# Altium PCB FMC_SDR.PcbDoc (part 3 of 4)
Units mm, origin at the board's own origin, x right, y up, seen from the top; angles counter-clockwise.
Board outline 83.63 x 69 mm, 8 copper layers (Top, Int1 [signals], Int2 [GND], Int3 [high speed], Int4 [high speed], Int5 [GND/PWR], Int6 [GND/PWR], Bottom), stack 1.579 mm thick; 242 components, 142 nets, 831 pads, 1051 vias.
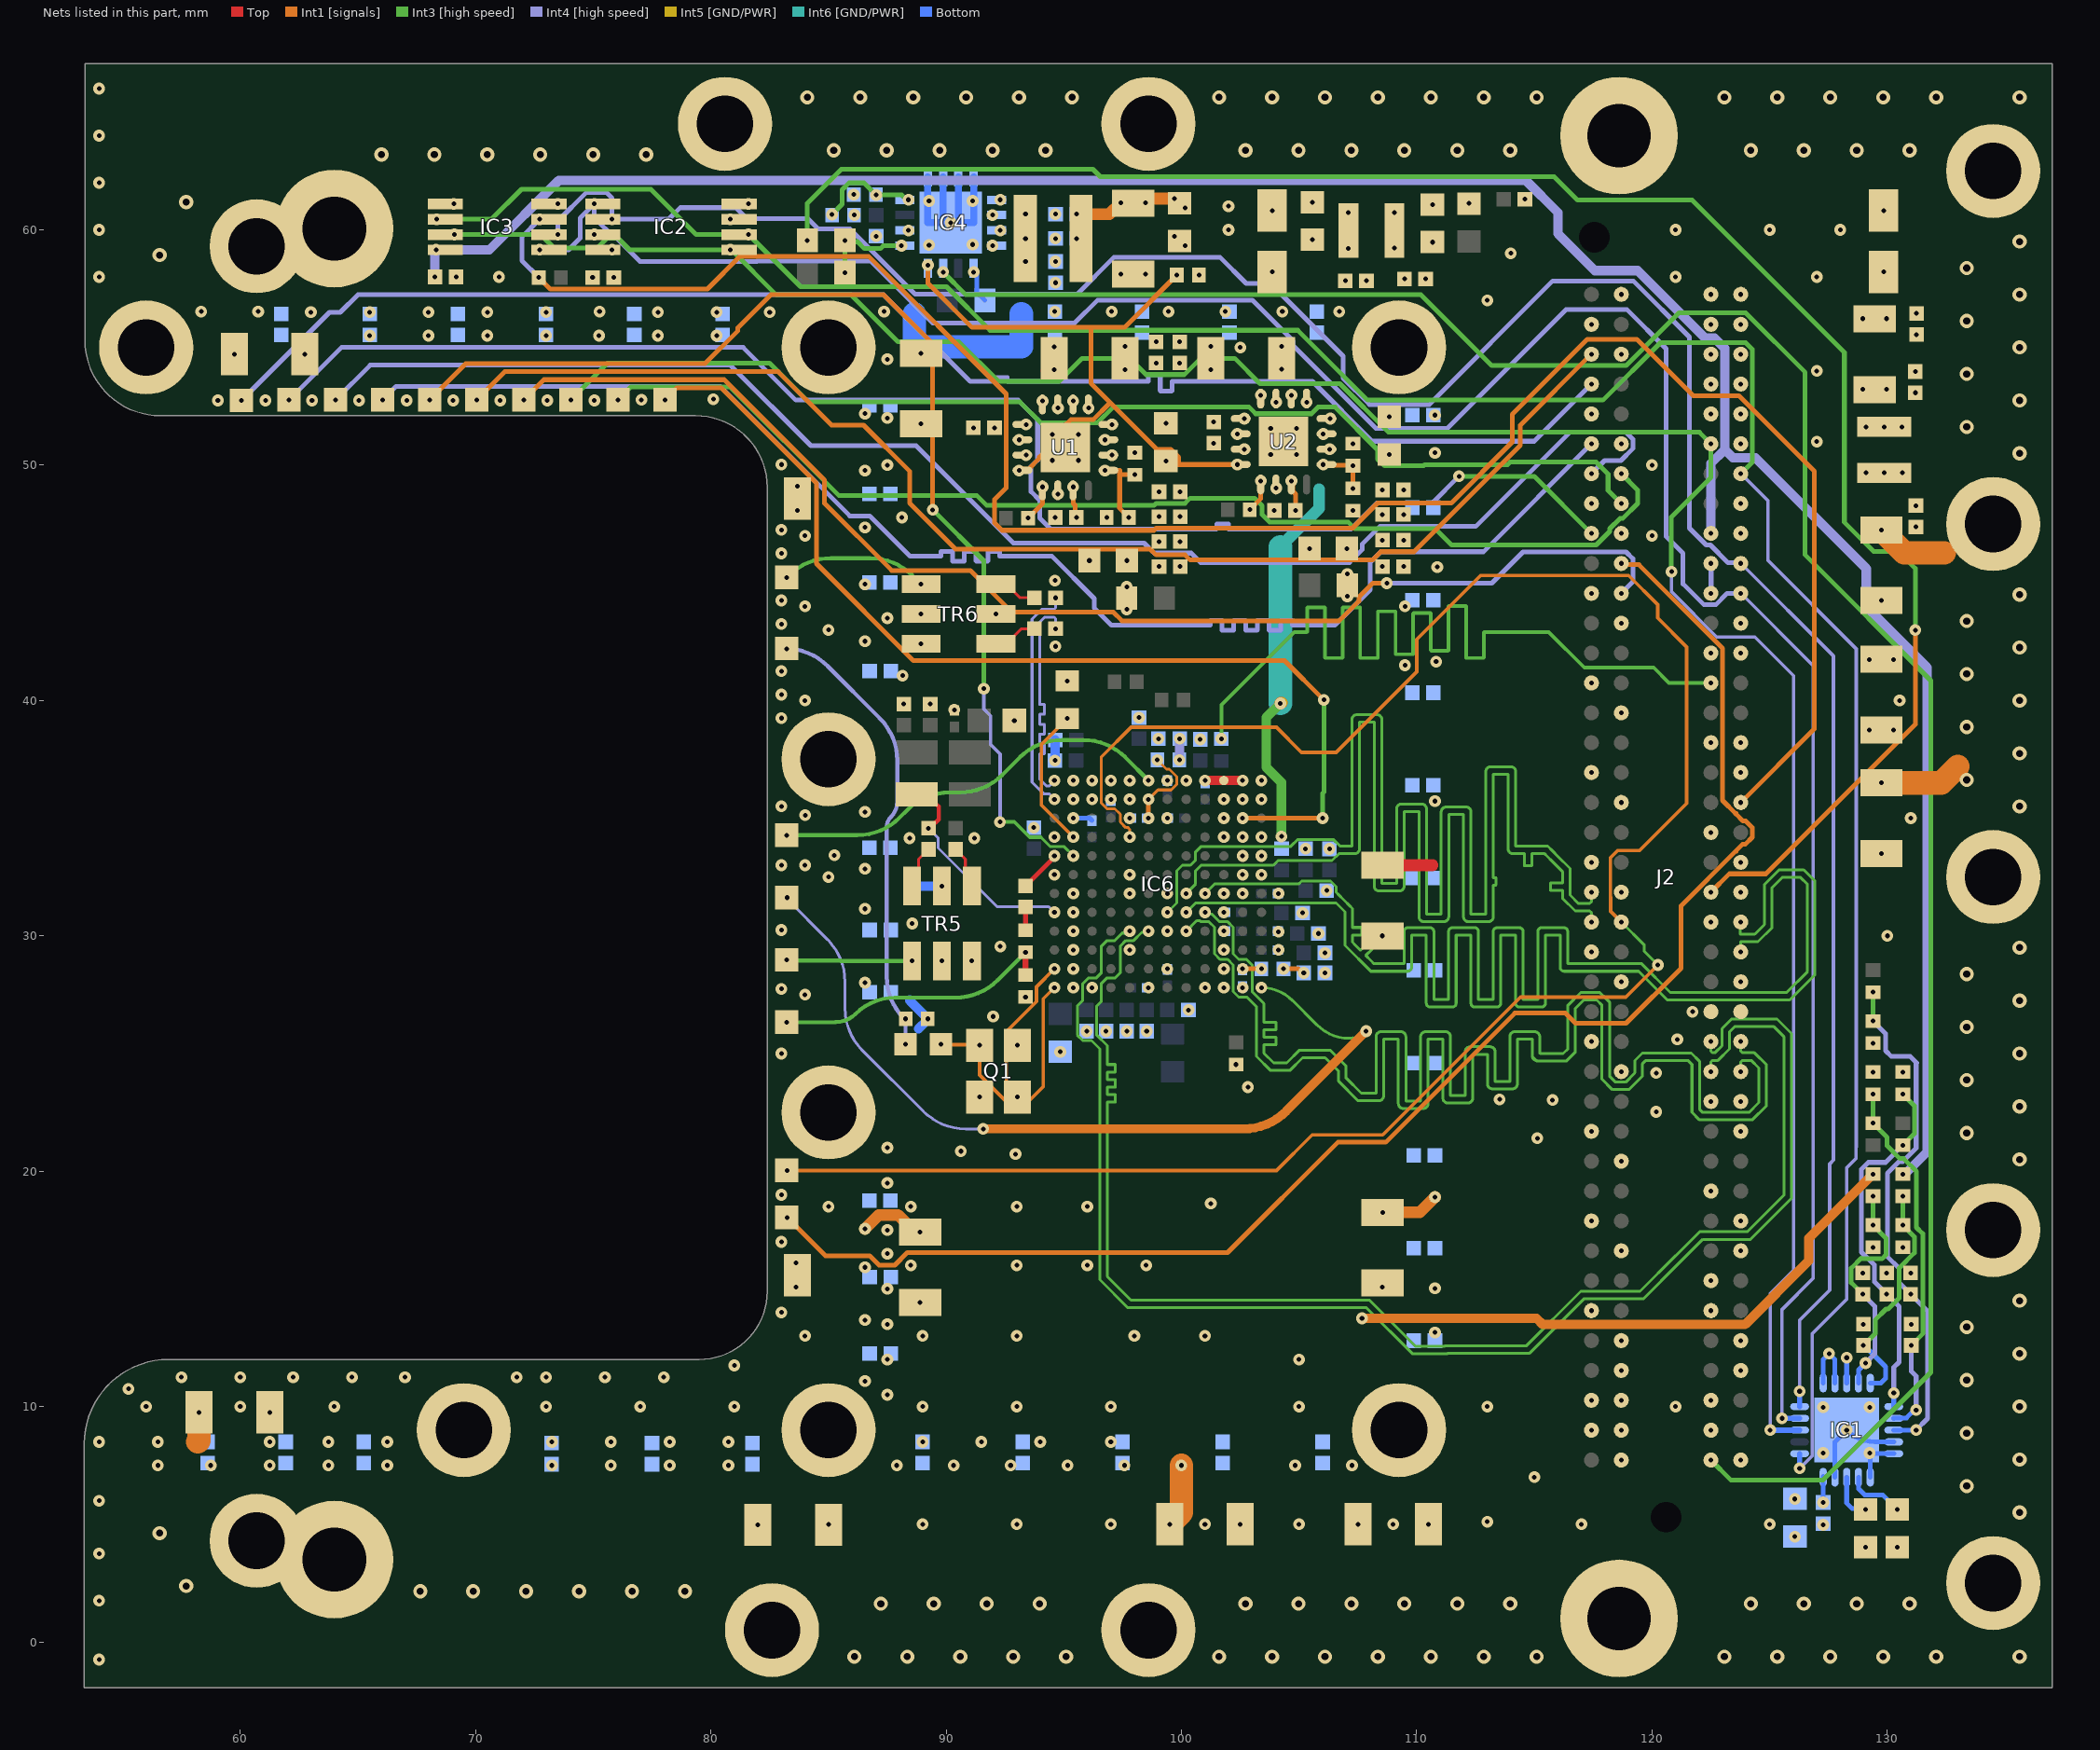
[diagram p9: the nets of this part, all layers, seen from the top]

## Via types
v1: diameter 0.5/0.5/0.5/0.5/0.5/0.5/0.5/0.5 (per signal layer), hole 0.2, Top to Bottom, tented both sides, 564 vias
v2: diameter 0.5/0.4/0.4/0.4/0.4/0.4/0.4/0.5 (per signal layer), hole 0.2, Top to Bottom, tented both sides, 182 vias
v3: diameter 0.5, hole 0.2, Top to Bottom, tented both sides, 163 vias
v4: diameter 0.6, hole 0.3, Top to Bottom, tented both sides, 118 vias
v5: diameter 0.5/0.5/0.5/0.5/0.5/0.5/0.5/0.5 (per signal layer), hole 0.2, Top to Bottom, 18 vias
v6: diameter 0.5, hole 0.2, Top to Bottom, 6 vias

## Nets (pads, with @x,y where several pads share a name; then routed paths per layer and width w, separated by ;. In a path a pad name is that pad's centre, name@x,y a point inside that pad or via, vN(x,y) a via of type N, cw(c..) or ccw(c..) an arc to the next point about the centre after c; other vN are vias at no path point) (continued)
9364_TX_D3_N: IC6.E9 J2.c15 | length 61
  Int3 [high speed] w0.12: v2(100.203,30.2) 100.647,30.644 100.793,30.644 100.837,30.6 101.168,30.6 101.403,30.366 101.403,29.234 101.637,29 101.968,29 102.203,28.766 102.203,27.634 102.437,27.4 102.785,27.4 103.19,26.994 103.19,24.879 103.789,24.28 104.607,24.28 105.151,24.823 106.107,24.823 106.68,24.251 106.68,23.822 107.51,22.992 108.383,22.992 ccw(c108.383,23.199) 108.591,23.199 108.591,25.605 109.219,25.605 109.219,22.871 ccw(c109.426,22.871) 109.426,22.664 110.279,22.664 ccw(c110.279,22.871) 110.487,22.871 110.487,25.605 111.115,25.605 111.115,23.107 ccw(c111.322,23.107) 111.322,22.9 112.175,22.9 ccw(c112.175,23.107) 112.383,23.107 112.383,24.968 113.011,24.968 113.011,23.707 ccw(c113.218,23.707) 113.218,23.5 114.071,23.5 ccw(c114.071,23.707) 114.279,23.707 114.279,25.605 114.907,25.605 114.907,24.903 ; 115.114,24.696 cw(c115.114,24.903) 115.093,24.697 ; v1(123.775,25.506) 123.775,25.101 123.845,25.031 124.352,25.031 124.863,24.52 124.863,22.785 124.256,22.179 122.021,22.179 121.699,22.501 121.699,24.537 121.54,24.696 119.721,24.696 119.595,24.57 119.595,24.047 119.014,23.466 118.315,23.466 117.875,23.906 117.875,27.05 117.649,27.276 117.103,27.276 116.745,26.917 116.745,25.069 116.351,24.675 115.114,24.675 115.093,24.697 ; 114.907,24.903 ccw(c115.114,24.903) 114.908,24.882 ; 114.907,24.903 114.907,24.883 114.908,24.882 ; 114.908,24.882 ccw(c115.114,24.903) 115.093,24.697 ; 114.908,24.882 115.093,24.697
9364_TX_D3_P: IC6.D8 J2.c14 | length 60.7
  Int3 [high speed] w0.12: v2(101.003,31) 101.056,30.946 101.187,30.946 101.213,30.92 101.301,30.92 101.621,30.6 101.968,30.6 102.203,30.366 102.203,29.566 102.203,29.234 102.437,29 102.768,29 103.003,28.766 103.003,27.72 103.003,27.634 103.51,27.127 103.51,26.967 103.51,26.647 103.51,26.327 104.002,26.327 cw(c104.002,26.311) 104.018,26.311 104.018,26.023 cw(c104.002,26.023) 104.002,26.007 103.51,26.007 103.51,25.687 104.002,25.687 cw(c104.002,25.671) 104.018,25.671 104.018,25.383 cw(c104.002,25.383) 104.002,25.367 103.51,25.367 103.51,25.047 103.51,25.011 103.922,24.6 104.475,24.6 105.018,25.143 106.322,25.143 107,24.465 107,23.955 107.643,23.312 108.271,23.312 108.271,25.718 cw(c108.478,25.718) 108.478,25.925 109.331,25.925 cw(c109.331,25.718) 109.539,25.718 109.539,22.984 110.167,22.984 110.167,25.718 cw(c110.374,25.718) 110.374,25.925 111.227,25.925 cw(c111.227,25.718) 111.435,25.718 111.435,23.22 112.063,23.22 112.063,25.081 cw(c112.27,25.081) 112.27,25.288 113.123,25.288 cw(c113.123,25.081) 113.331,25.081 113.331,23.82 113.959,23.82 113.959,25.718 cw(c114.166,25.718) 114.166,25.925 115.019,25.925 cw(c115.019,25.718) 115.227,25.718 115.227,25.016 115.247,24.995 116.219,24.995 116.425,25.202 116.425,27.05 116.971,27.596 117.782,27.596 118.195,27.183 118.195,24.039 118.448,23.786 118.881,23.786 119.275,24.179 119.275,24.703 119.588,25.016 121.673,25.016 122.019,24.67 122.019,22.634 122.154,22.499 124.124,22.499 124.543,22.918 124.543,24.388 124.22,24.711 123.845,24.711 123.775,24.64 v1(123.775,24.236)
9364_TX_D4_N: IC6.E8 J2.c19 | length 60.9
  Int3 [high speed] w0.12: v2(100.203,31) 100.603,31.4 104.291,31.4 ; 104.547,31.4 104.291,31.4 ; 109.62,28.496 108.052,28.496 106.95,29.597 106.95,31.025 106.579,31.396 104.295,31.396 104.291,31.4 ; 109.62,28.501 ccw(c109.62,28.661) 109.78,28.661 109.78,30.025 110.408,30.025 110.408,27.137 ccw(c110.568,27.137) 110.568,26.977 111.516,26.977 ccw(c111.516,27.137) 111.676,27.137 111.676,30.025 112.304,30.025 112.304,27.137 ccw(c112.464,27.137) 112.464,26.977 113.412,26.977 ccw(c113.412,27.137) 113.572,27.137 113.572,30.025 114.2,30.025 114.2,27.137 ccw(c114.36,27.137) 114.36,26.977 115.308,26.977 ccw(c115.308,27.137) 115.468,27.137 115.468,30.025 116.096,30.025 116.096,28.661 ccw(c116.256,28.661) 116.256,28.501 ; 116.256,28.496 119.429,28.496 120.649,27.276 125.856,27.276 126.926,28.346 126.926,32.324 126.45,32.8 125.397,32.8 124.78,32.183 124.78,30.482 124.368,30.07 123.75,30.07 123.75,30.561 v1(123.775,30.586)
9364_TX_D4_P: IC6.D7 J2.c18 | length 60.7
  Int3 [high speed] w0.12: v2(101.003,31.8) 101.403,32.2 104.984,32.2 105.109,32.325 106.341,32.325 106.575,32.091 106.575,31.853 106.688,31.739 106.914,31.513 107.141,31.287 107.27,31.158 107.27,30.998 107.27,30.678 107.27,30.358 107.647,30.358 cw(c107.647,30.342) 107.663,30.342 107.663,30.054 cw(c107.647,30.054) 107.647,30.038 107.27,30.038 107.27,29.73 107.383,29.617 107.609,29.391 107.876,29.657 cw(c107.887,29.646) 107.899,29.657 108.102,29.454 cw(c108.091,29.442) 108.102,29.431 107.836,29.164 108.062,28.938 108.184,28.816 109.46,28.816 ; 109.46,28.821 109.46,30.185 cw(c109.62,30.185) 109.62,30.345 110.568,30.345 cw(c110.568,30.185) 110.728,30.185 110.728,27.297 111.356,27.297 111.356,30.185 cw(c111.516,30.185) 111.516,30.345 112.464,30.345 cw(c112.464,30.185) 112.624,30.185 112.624,27.297 113.252,27.297 113.252,30.185 cw(c113.412,30.185) 113.412,30.345 114.36,30.345 cw(c114.36,30.185) 114.52,30.185 114.52,27.297 115.148,27.297 115.148,30.185 cw(c115.308,30.185) 115.308,30.345 116.256,30.345 cw(c116.256,30.185) 116.416,30.185 116.416,28.821 ; 116.416,28.816 119.562,28.816 120.782,27.596 125.723,27.596 126.606,28.478 126.606,32.192 126.317,32.48 125.53,32.48 125.1,32.05 125.1,30.349 124.501,29.75 123.775,29.75 123.775,29.419 123.725,29.369 v1@123.725,29.35
  other v1: 123.775,29.316
9364_TX_D5_N: IC6.F8 J2.h20 | length 61.4
  Int3 [high speed] w0.12: v2(99.403,31) 99.803,31.4 99.803,32.766 100.037,33 100.385,33 100.603,33.218 100.603,33.566 100.837,33.8 104.65,33.8 104.95,34.1 106.449,34.1 106.739,33.81 107.249,33.81 107.249,39.191 cw(c107.457,39.191) 107.457,39.398 108.31,39.398 cw(c108.31,39.191) 108.517,39.191 108.517,32.224 109.145,32.224 109.145,35.396 cw(c109.353,35.396) 109.353,35.604 110.206,35.604 cw(c110.206,35.396) 110.413,35.396 110.413,30.925 111.041,30.925 111.041,35.269 cw(c111.249,35.269) 111.249,35.476 112.102,35.476 cw(c112.102,35.269) 112.309,35.269 112.309,30.925 112.937,30.925 112.937,36.981 cw(c113.144,36.981) 113.144,37.189 113.998,37.189 cw(c113.998,36.981) 114.205,36.981 114.205,33.81 114.572,33.81 114.892,33.81 115.212,33.81 115.568,33.81 115.774,33.603 115.977,33.4 116.516,32.861 116.516,31.731 116.866,31.381 117.355,31.381 117.425,31.451 v3(117.425,31.856)
9364_TX_D5_P: IC6.E7 J2.h19 | length 61.4
  Int3 [high speed] w0.12: v2(100.203,31.8) 100.603,32.2 100.603,32.766 100.837,33 103.911,33 104.111,33.2 106.401,33.2 106.691,33.49 107.362,33.49 ccw(c107.362,33.697) 107.569,33.697 107.569,39.078 108.197,39.078 108.197,32.111 ccw(c108.405,32.111) 108.405,31.904 109.258,31.904 ccw(c109.258,32.111) 109.465,32.111 109.465,35.284 110.093,35.284 110.093,30.812 ccw(c110.301,30.812) 110.301,30.605 111.154,30.605 ccw(c111.154,30.812) 111.361,30.812 111.361,35.156 111.989,35.156 111.989,30.812 ccw(c112.197,30.812) 112.197,30.605 113.05,30.605 ccw(c113.05,30.812) 113.257,30.812 113.257,31.675 113.257,31.835 113.257,32.155 113.347,32.155 ccw(c113.347,32.171) 113.363,32.171 113.363,32.459 ccw(c113.347,32.459) 113.347,32.475 113.257,32.475 113.257,36.869 113.885,36.869 113.885,33.697 ccw(c114.092,33.697) 114.092,33.49 114.252,33.49 114.572,33.49 114.572,32.998 ccw(c114.588,32.998) 114.588,32.982 114.876,32.982 ccw(c114.876,32.998) 114.892,32.998 114.892,33.49 115.212,33.49 115.435,33.49 115.548,33.377 115.751,33.174 116.196,32.729 116.196,32.569 116.196,32.249 115.704,32.249 ccw(c115.704,32.233) 115.688,32.233 115.688,31.945 ccw(c115.704,31.945) 115.704,31.929 116.196,31.929 116.196,31.625 116.196,31.598 116.734,31.061 117.355,31.061 117.425,30.99 v3(117.425,30.586)
9364_TX_FRAME_N: IC6.H9 J2.d15 | length 62.4
  Int3 [high speed] w0.12: v2(97.803,30.2) 97.749,30.146 97.619,30.146 97.593,30.12 97.488,30.12 97.168,29.8 96.837,29.8 96.603,29.566 96.603,28.434 96.368,28.2 96.037,28.2 95.803,27.966 95.803,27.243 95.575,27.016 95.575,25.784 95.809,25.55 96.182,25.55 96.53,25.202 96.53,15.392 97.722,14.2 107.861,14.2 109.811,12.25 111.314,12.25 111.319,12.255 114.783,12.255 117.103,14.576 119.626,14.576 121.142,16.092 121.145,16.092 122.158,17.105 124.183,17.105 125.925,18.847 125.925,25.853 125.315,26.462 123.38,26.462 122.974,26.056 122.974,25.33 122.675,25.031 122.575,25.031 122.505,25.101 v3(122.505,25.506)
9364_TX_FRAME_P: IC6.G9 J2.d14 | length 62.4
  Int3 [high speed] w0.12: v2(98.603,30.2) 98.549,30.146 98.315,30.146 97.968,29.8 97.637,29.8 97.403,29.566 97.403,28.434 97.168,28.2 96.821,28.2 96.603,27.982 96.603,27.218 96.387,27.003 96.387,25.797 96.85,25.334 96.85,25.174 96.85,24.854 96.85,24.534 97.178,24.534 cw(c97.178,24.518) 97.194,24.518 97.194,24.23 cw(c97.178,24.23) 97.178,24.214 96.85,24.214 96.85,23.894 97.178,23.894 cw(c97.178,23.878) 97.194,23.878 97.194,23.59 cw(c97.178,23.59) 97.178,23.574 96.85,23.574 96.85,23.254 97.178,23.254 cw(c97.178,23.238) 97.194,23.238 97.194,22.95 cw(c97.178,22.95) 97.178,22.934 96.85,22.934 96.85,21.55 96.85,15.525 97.855,14.52 107.994,14.52 109.944,12.57 111.181,12.57 111.186,12.575 114.65,12.575 116.971,14.896 119.493,14.896 121.01,16.412 121.012,16.412 122.025,17.425 124.05,17.425 125.605,18.98 125.605,25.72 125.183,26.142 123.512,26.142 123.294,25.924 123.294,25.197 122.807,24.711 122.575,24.711 122.505,24.64 v3(122.505,24.236)
9364_TXNRX: BSC4.1 IC6.H4 J2.g19 | length 92.4
  Int3 [high speed] w0.12: v3@118.675,30.625 118.675,30.606 v3(118.695,30.586) 119.675,29.606 119.675,29.339 v3(120.25,28.764)
  Int1 [signals] w0.12: 96.603,37.608 96.603,35.634 96.837,35.4 97.168,35.4 97.403,35.166 97.403,34.834 97.637,34.6 97.733,34.6 97.803,34.53 v2(97.803,34.2)
  Int1 [signals] w0.15: v1(83.25,20.025) 104.037,20.025 105.555,21.543 108.551,21.543 114.408,27.4 118.886,27.4 v3(120.25,28.764) ; 96.603,37.608 97.855,38.86 104.043,38.86 105.103,37.8 106.575,37.8 110,41.225 110,42.6 112.711,45.311 119.008,45.311 120.241,44.077 120.241,43.509 121.475,42.275 121.475,35.625 119.475,33.625 118.536,33.625 118.23,33.318 118.23,31.663 118.245,31.648 118.245,31.036 v3(118.695,30.586)
CLK1_M2C_N: J2.g3
  other v3: 118.695,10.266
CLK1_M2C_P: J2.g2
  other v3: 118.695,8.996
FE_LOCK_DETECT: BSC20.1 J2.h38 | length 56.1
  Int1 [signals] w0.2: v1(70.05,52.775) 71.245,53.97 82.862,53.97 85.131,51.701 86.492,51.701 88.448,49.745 88.448,48.391 90.404,46.435 98.675,46.435 98.925,46.185 100.152,46.185 100.37,45.967 108.12,45.967 108.476,46.322 109.884,46.322 114.404,50.841 114.404,51.694 v3(117.425,54.716)
FE_SPI_CE: BSC13.1 J2.h37 | length 64.5
  Int4 [high speed] w0.2: v1@60.098,52.75 v1(60.05,52.75) 63.79,56.49 64.25,56.49 65,57.24 87.34,57.24 91.02,53.56 91.85,53.56 92.075,53.56 ccw(c92.075,53.585) 92.1,53.585 92.1,53.703 cw(c92.125,53.703) 92.125,53.728 92.575,53.728 cw(c92.575,53.703) 92.6,53.703 92.6,53.585 ccw(c92.625,53.585) 92.625,53.56 97.05,53.56 98.35,53.56 98.575,53.56 ccw(c98.575,53.585) 98.6,53.585 98.6,53.824 cw(c98.625,53.824) 98.625,53.849 99.075,53.849 cw(c99.075,53.824) 99.1,53.824 99.1,53.56 99.1,53.177 ccw(c99.125,53.177) 99.125,53.152 99.575,53.152 ccw(c99.575,53.177) 99.6,53.177 99.6,53.535 cw(c99.625,53.535) 99.625,53.56 100.7,53.56 105.565,53.56 108.11,51.015 114.994,51.015 v3(117.425,53.446)
FE_SPI_CLK: BSC8.1 J2.h32 | length 64.4
  Int3 [high speed] w0.2: v1(111.8,49.525) 114.996,49.525 v3(117.425,47.096)
  Int4 [high speed] w0.2: v1(62.075,52.775) 64.3,55 81.375,55 83.615,52.76 93.058,52.76 93.89,51.928 93.89,50.222 93.61,49.942 93.61,48.872 93.975,48.507 93.975,47.75 94.437,47.287 101.25,47.287 101.475,47.287 ccw(c101.475,47.312) 101.5,47.312 101.5,47.474 cw(c101.525,47.474) 101.525,47.499 101.975,47.499 cw(c101.975,47.474) 102,47.474 102,47.312 ccw(c102.025,47.312) 102.025,47.287 106.775,47.287 107.201,47.287 108.308,48.394 110.669,48.394 v1(111.8,49.525)
FE_SPI_DATA: BSC10.1 J2.h34 | length 64.4
  Int4 [high speed] w0.2: v1(64.05,52.775) 65.525,54.25 80.825,54.25 84.25,50.825 88.725,50.825 92.86,46.69 98.42,46.69 98.846,46.263 100.415,46.263 100.813,45.865 107.141,45.865 107.679,46.403 107.679,46.643 108.432,47.395 112.507,47.395 116.507,51.396 118.898,51.396 119.185,51.109 119.185,50.703 118.68,50.198 117.987,50.198 v3(117.425,49.636)
FE_SPI_LE: BSC11.1 J2.h35 | length 64.6
  Int4 [high speed] w0.2: v1(66.05,52.775) 66.625,53.35 80.401,53.35 85.907,47.844 86.753,47.844 88.472,46.125 89.525,46.125 89.75,46.125 ccw(c89.75,46.15) 89.775,46.15 89.775,46.305 cw(c89.8,46.305) 89.8,46.33 90.25,46.33 cw(c90.25,46.305) 90.275,46.305 90.275,46.125 90.275,45.945 ccw(c90.3,45.945) 90.3,45.92 90.75,45.92 ccw(c90.75,45.945) 90.775,45.945 90.775,46.125 90.775,46.305 cw(c90.8,46.305) 90.8,46.33 91.25,46.33 cw(c91.25,46.305) 91.275,46.305 91.275,46.125 91.275,45.945 ccw(c91.3,45.945) 91.3,45.92 91.75,45.92 ccw(c91.75,45.945) 91.775,45.945 91.775,46.125 91.775,46.305 cw(c91.8,46.305) 91.8,46.33 92.25,46.33 cw(c92.25,46.305) 92.275,46.305 92.275,46.15 ccw(c92.3,46.15) 92.3,46.125 93.975,46.125 94.5,46.125 96.294,44.331 96.294,43.927 97.027,43.195 100.975,43.195 101.2,43.195 ccw(c101.2,43.22) 101.225,43.22 101.225,43.378 cw(c101.25,43.378) 101.25,43.403 101.7,43.403 cw(c101.7,43.378) 101.725,43.378 101.725,43.195 101.725,43.012 ccw(c101.75,43.012) 101.75,42.987 102.2,42.987 ccw(c102.2,43.012) 102.225,43.012 102.225,43.195 102.225,43.378 cw(c102.25,43.378) 102.25,43.403 102.7,43.403 cw(c102.7,43.378) 102.725,43.378 102.725,43.195 102.725,43.012 ccw(c102.75,43.012) 102.75,42.987 103.2,42.987 ccw(c103.2,43.012) 103.225,43.012 103.225,43.195 103.225,43.378 cw(c103.25,43.378) 103.25,43.403 103.7,43.403 cw(c103.7,43.378) 103.725,43.378 103.725,43.195 103.725,43.012 ccw(c103.75,43.012) 103.75,42.987 104.2,42.987 ccw(c104.2,43.012) 104.225,43.012 104.225,43.195 104.225,43.378 cw(c104.25,43.378) 104.25,43.403 104.7,43.403 cw(c104.7,43.378) 104.725,43.378 104.725,43.22 ccw(c104.75,43.22) 104.75,43.195 105.025,43.195 106.513,43.195 108.019,44.701 108.019,45.865 108.476,46.322 112.841,46.322 v3(117.425,50.906)
GND: C1.1 C2.1 C3.1 C4.1 C5.1 C6.1 C7.1 C10.1 C11.1 C12.1 C14.1 C15.1 C16.1 C17.1 C18.1 C19.1 C20.1 C21.1 C22.1 C23.1 C24.1 C25.1 C26.1 C27.1 C28.1 C29.1 C30.1 C31.1 C32.1 C33.1 C34.1 C35.1 C36.1 C37.1 C38.1 C39.2 C40.1 C41.1 C42.1 C43.1 C44.1 C45.1 C46.1 C47.1 C48.1 C49.1 C50.1 C51.1 C52.2 C53.1 C54.1 C55.1 C56.1 C57.1 C58.1 C59.1 C60.1 C61.1 C62.1 C63.1 C64.1 C65.1 C66.1 C68.1 C69.1 C70.1 C71.1 C72.1 C73.1 C74.1 C75.1 C76.1 C77.1 C78.1 C79.1 C80.1 C81.1 C82.1 C83.1 C84.1 C85.1 C86.1 C87.1 C88.1 C89.1 C91.1 C92.1 C94.1 C95.1 C96.1 C97.1 C98.1 C99.1 C101.1 C102.1 C130.1 C131.1 C132.1 C133.1 C134.1 C136.1 C137.1 C138.1 C139.1 C140.1 C142.1 C143.1 C144.1 C145.1 C146.1 C147.1 C148.1 C149.1 C150.1 C151.1 C152.1 C153.1 C154.1 C155.1 C156.1 C158.1 C160.1 C162.1 C198.1 C199.1 C204.1 C205.1 C206.1 C207.1 C208.1 C209.1 C210.1 C211.1 C212.1 C213.1 C214.1 C215.1 C216.1 C217.1 IC1.4 IC1.5 IC1.6 IC1.9 IC1.18 IC1.21 IC2.3 IC2.4 IC2.7 IC3.4 IC3.5 IC4.2 IC4.5 IC4.6 IC4.7 IC4.8 IC4.17 IC6.A1 IC6.A2 IC6.A4 IC6.A5 IC6.A6 IC6.B1 IC6.B2 IC6.B12 IC6.C1 IC6.C2 IC6.C4 IC6.C7 IC6.C8 IC6.C9 IC6.C10 IC6.C11 IC6.C12 IC6.D1 IC6.D12 IC6.E1 IC6.F1 IC6.F3 IC6.F7 IC6.F9 IC6.F11 IC6.G12 IC6.H2 IC6.H3 IC6.H6 IC6.H7 IC6.H10 IC6.J2 IC6.K1 IC6.K2 IC6.K12 IC6.L1 IC6.L2 IC6.L3 IC6.L7 IC6.L8 IC6.L9 IC6.L10 IC6.L11 IC6.L12 IC6.M4 IC6.M6 J2.c1 J2.c4 J2.c5 J2.c8 J2.c9 J2.c12 J2.c13 J2.c16 J2.c17 J2.c20 J2.c21 J2.c24 J2.c25 J2.c28 J2.c29 J2.c32 J2.c33 J2.c36 J2.c38 J2.c40 J2.d2 J2.d3 J2.d6 J2.d7 J2.d10 J2.d13 J2.d16 J2.d19 J2.d22 J2.d25 J2.d28 J2.d37 J2.d39 J2.g1 J2.g4 J2.g5 J2.g8 J2.g11 J2.g14 J2.g17 J2.g20 J2.g23 J2.g26 J2.g29 J2.g32 J2.g35 J2.g38 J2.g40 J2.h2 J2.h3 J2.h6 J2.h9 J2.h12 J2.h15 J2.h18 J2.h21 J2.h24 J2.h27 J2.h30 J2.h33 J2.h36 J2.h39 Q1.2 Q1.4 R8.1 R10.1 R11.1 R12.1 R13.1 R18.1 R19.1 R20.1 R26.1 R29.2 R33.2 R36.1 TR5.1 TR5.2 TR5.5 TR6.1 TR6.2 TR6.5 U1.6 U1.17 U2.6 U2.17 | length 24.8
  Top w0.2: C47.1@94.121,54.015 94.596,54.49 C47.1@94.596,54.549 C47.1@94.129,55.015
  Top w0.4: v2(101.003,36.6) IC6.C1@101.803,36.6 v2(102.603,36.6)
  Bottom w0.2: v2@95.305,34.902 95.401,34.902 95.403,34.9 v2@95.453,34.95 ; v2(95.403,35) 96.1,35 C80.1@96.2,34.9 ; IC1.9@127.775,7 127.775,8.5 v1(128.275,9) ccw(c129.482,10.207) 129.482,8.5 IC1.4@130.275,8.5 IC1.4@130.278,8.497 ; IC1.18@128.275,11 v3(128.275,12.075) ; IC1.6@129.275,7 129.275,8 v1(129.25,8.025) ccw(c129.31,8.085) 129.31,8 IC1.5@130.275,8
  Bottom w0.3: IC4.5@89.22,62.243 89.22,60.3 IC4.17@89.87,60.3 ; IC4.6@89.87,62.243 IC4.17@89.87,60.3 ; IC4.7@90.52,62.243 IC4.17@90.52,60.3 ; IC4.8@91.17,62.243 91.17,60.3 IC4.17@90.52,60.3 ; IC4.17@89.87,60.3 v1(90.195,60.3) IC4.17@90.52,60.3
  Bottom w0.4: 88.45,27.275 88.45,27.25 v1(89.225,26.475) 89.225,26.448 88.825,26.048 ; 88.815,32.115 v1(89.825,32.115) ; v2(94.625,37.45) ccw(c94.588,37.487) 94.64,37.487 C66.1@94.64,38.325
  other v1: 54,-0.75 54,1.75 54,3.75 129.075,4.025 130.425,4.025 126.075,4.475 127.275,4.975 85,5 89,5 93,5 97,5 101,5 102.5,5 105,5 107.5,5 109,5 117,5 125,5 113,5.109 54,6 115,7 127.275,8.025 54,8.5 56.5,8.5 61.25,8.5 63.75,8.5 66.25,8.5 73.25,8.5 75.75,8.5 78.25,8.5 80.75,8.5 89,8.5 91.5,8.5 94,8.5 97,8.5 61.25,9.75 127.275,9.975 129.25,9.975 56,10 60,10 64,10 73,10 77,10 81,10 89,10 93,10 97,10 105,10 113,10 121,10 87.5,10.5 55.25,10.75 57.5,11.25 60,11.25 62.25,11.25 64.75,11.25 67,11.25 71.75,11.25 73,11.25 75.5,11.25 78,11.25 81,11.75 87.5,12 105,12 84,13 89,13 93,13 98,13 101,13 128.984,13.498 131.016,13.498 87.5,13.5 83,14 88.892,14.419 87.5,15 108.544,15.077 128.959,15.675 129.975,15.675 130.991,15.675 88.5,16 93,16 96,16 98.5,16 87.5,16.5 123.775,16.616 129.391,16.769 130.661,16.769 83,17 87.5,17.5 85,18.5 88.5,18.5 93,18.5 96,18.5 83,19 87.5,19.5 87.5,21 91.425,23.15 102.825,23.575 129.391,24.212 130.661,24.212 102.325,24.535 83,25 93.025,25.35 129.391,25.439 121.725,26.775 93.375,27.4 84,27.5 83,27.75 89.825,28.935 91.095,28.935 108.541,30 130,30 83,30.25 85,32.5 83,33 84,33 129.75,33.5 131,35 83,35.5 129.234,38.743 130.259,38.743 92.9,39.15 83,39.25 90.35,39.6 88.2,39.85 89.325,39.85 84,40 130.524,40 83,40.25 95.15,40.832 88.15,41.055 83,41.25 109.5,41.5 88.936,42.405 85,43 83,43.25 87.5,43.5 88.936,43.675 92.116,43.675 84,44 109.5,44 83,44.25 129.75,44.25 99.949,45.695 109.441,45.695 96.088,45.945 83,46.25 105.44,46.457 99.949,46.753 109.441,46.812 84,47 120,47 83,47.25 131.216,47.378 88.125,47.777 94.64,47.777 96.825,47.777 99.949,47.811 109.441,47.904 103.95,48.075 107.29,48.069 94.75,48.775 99.949,48.87 109.441,48.946 104.025,49.025 87.5,50 120,50 83,50.025 101.371,50.934 127,51 91.161,51.587 88.936,51.75 99.339,51.778 87.5,52 108.831,52.057 59.05,52.75 61.075,52.75 63.05,52.75 65.05,52.75 67.075,52.75 69.05,52.75 71.05,52.75 73.05,52.75 75.05,52.75 77.05,52.775 80.107,52.8 131.191,53.975 127,54 94.6,54.05 104.25,54.075 87.5,54.5 62.75,54.716 102.5,55 94.6,55.025 104.25,55.05 98.925,55.239 99.925,55.239 65.5,55.5 68,55.5 70.5,55.5 73,55.5 75.25,55.5 77.75,55.5 80.25,55.5 128.95,56.225 129.975,56.225 131.242,56.45 113,57 94.65,57.75 107.867,57.836 109.481,57.912 54,58 69.175,58 71,58 74.975,57.975 121,58 127,58 97.425,58.125 98.475,58.125 114,59 89.275,59.35 91.125,59.375 94.65,59.625 87.025,59.725 75.05,59.8 88.4,59.975 54,60 102,60 121,60 125,60 128,60 80.825,60.45 94.65,60.666 103.861,60.812 129.845,60.812 102,61 110.668,61.074 69.075,61.1 73.5,61.1 81.6,61.1 112.217,61.125 105.562,61.176 89.275,61.225 91.125,61.225 114.6,61.3 86.075,61.5 54,62 54,64 54,66